# KiCad board sample018-programmable-led-panel.kicad_pcb
title: LED Panel; date: 31.01.2025; rev: 1.0.0
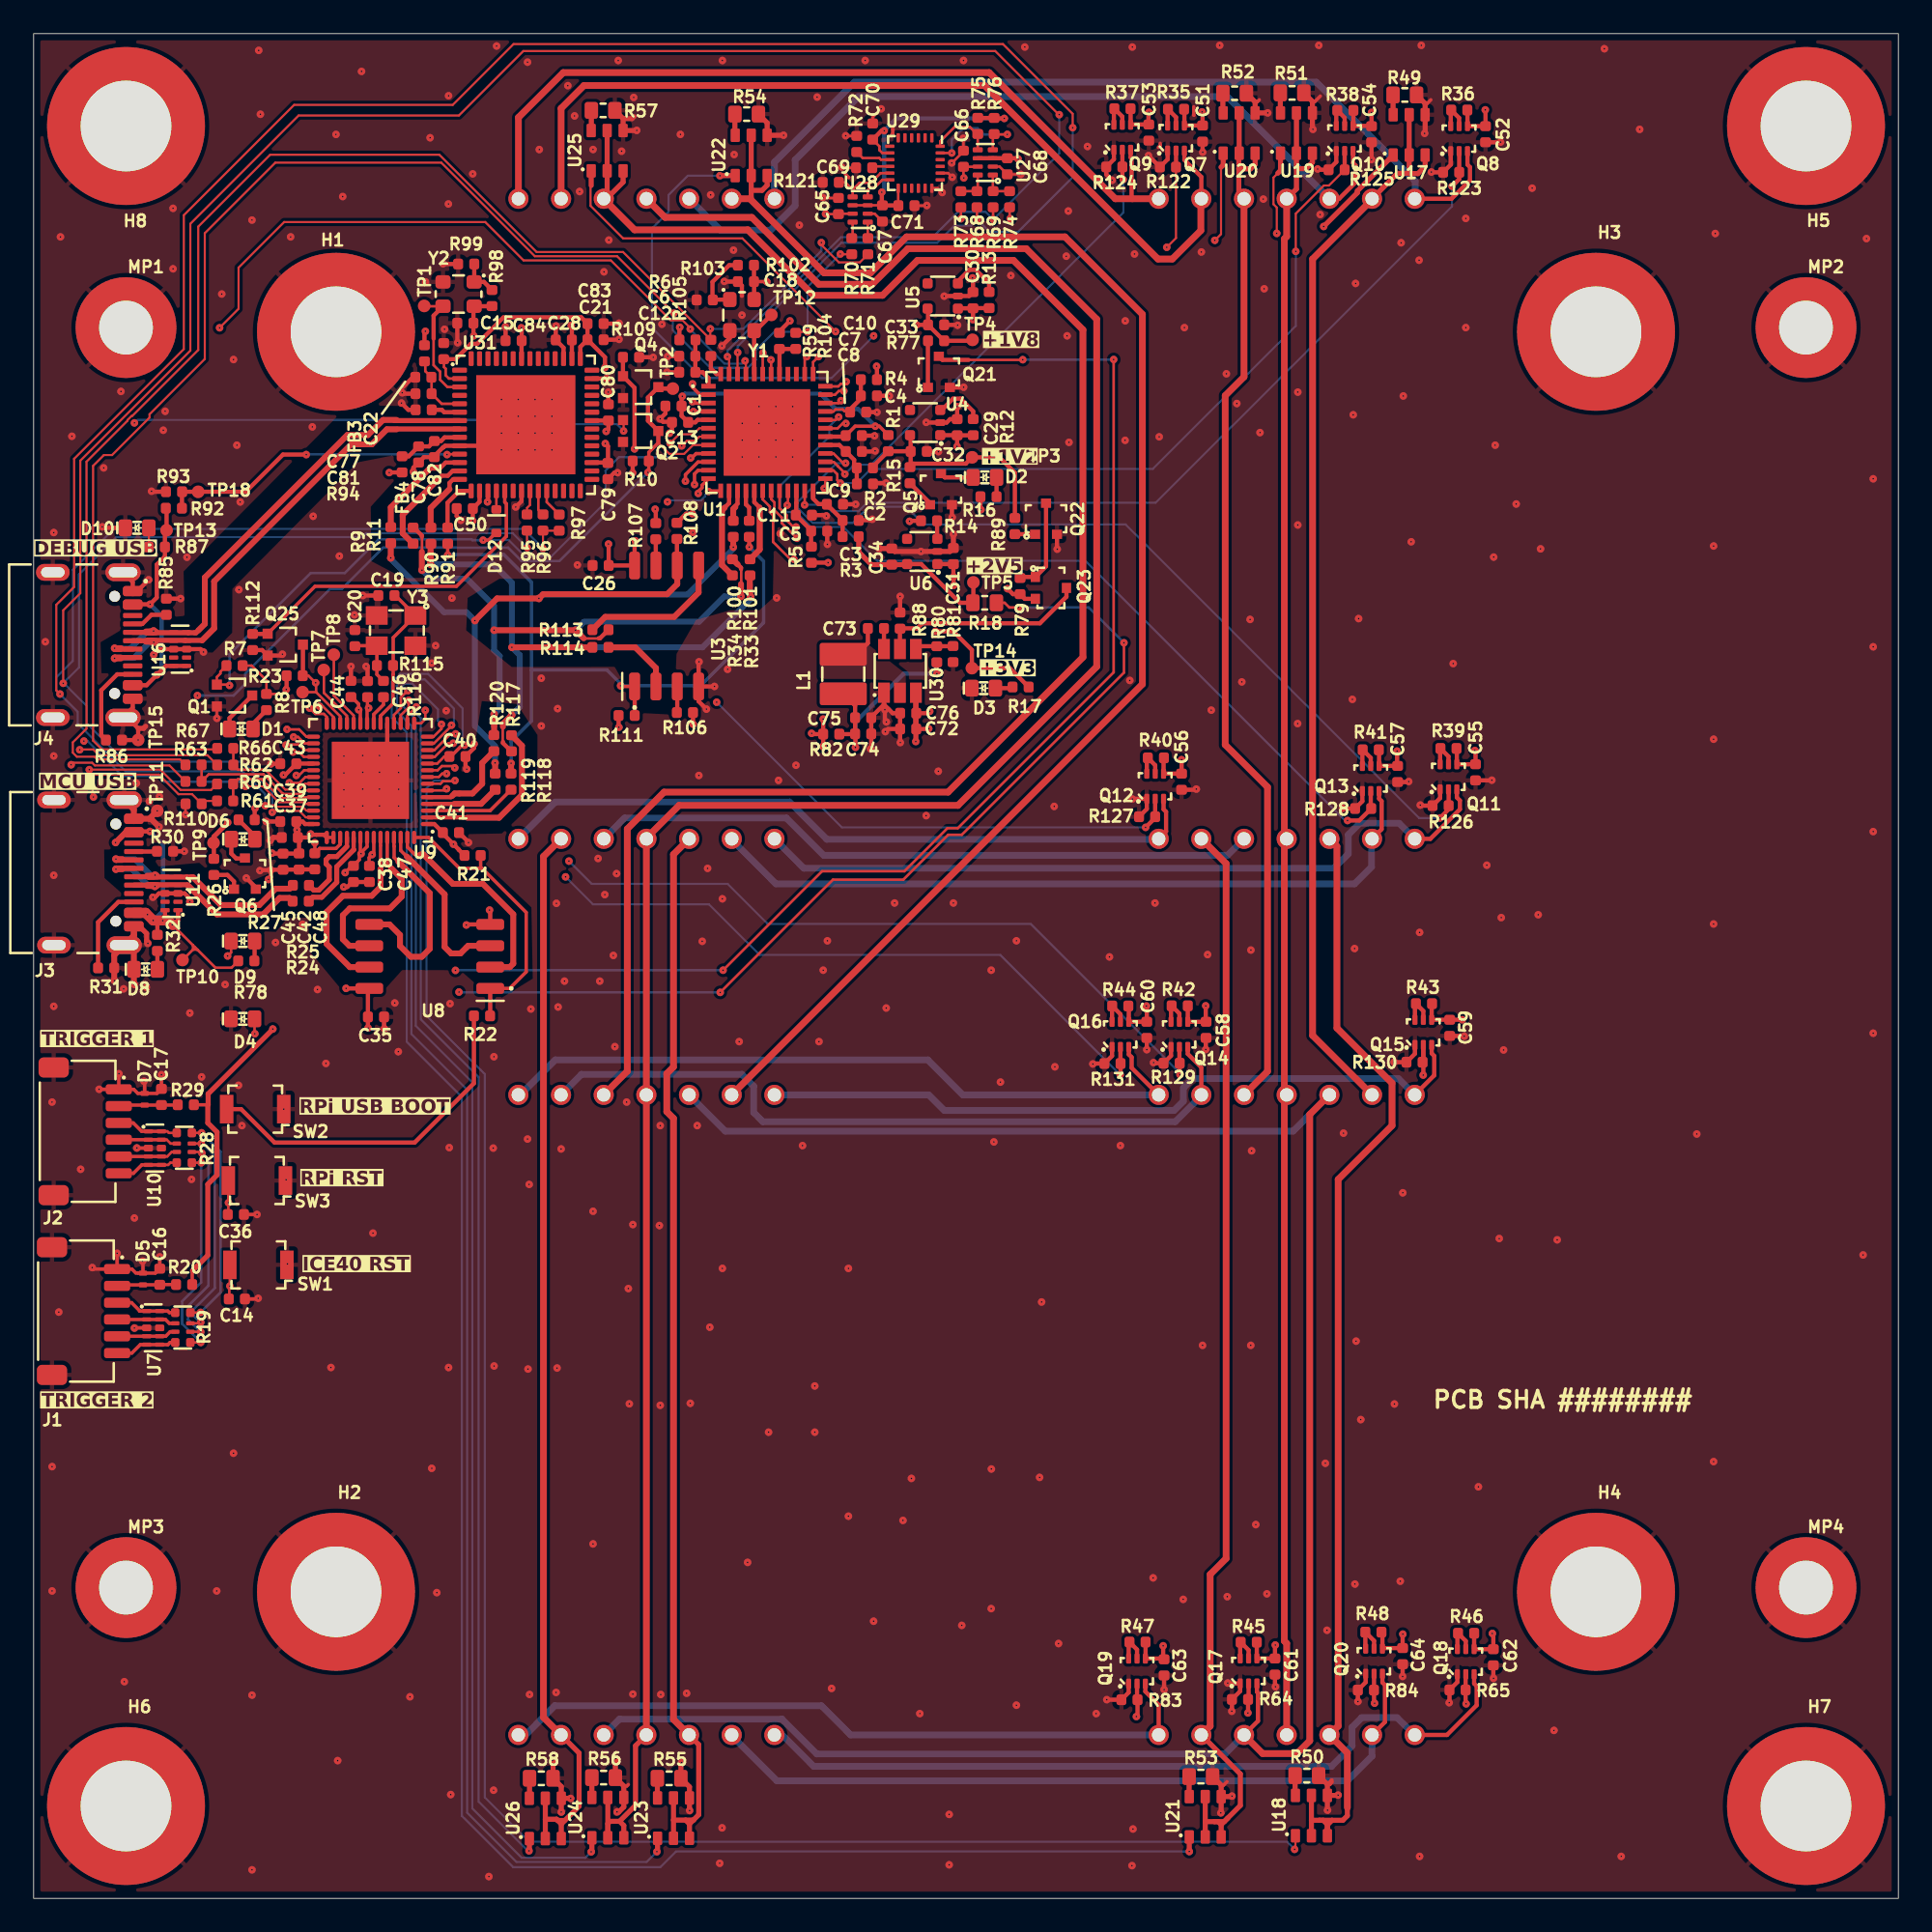
[diagram p0: board, top side]
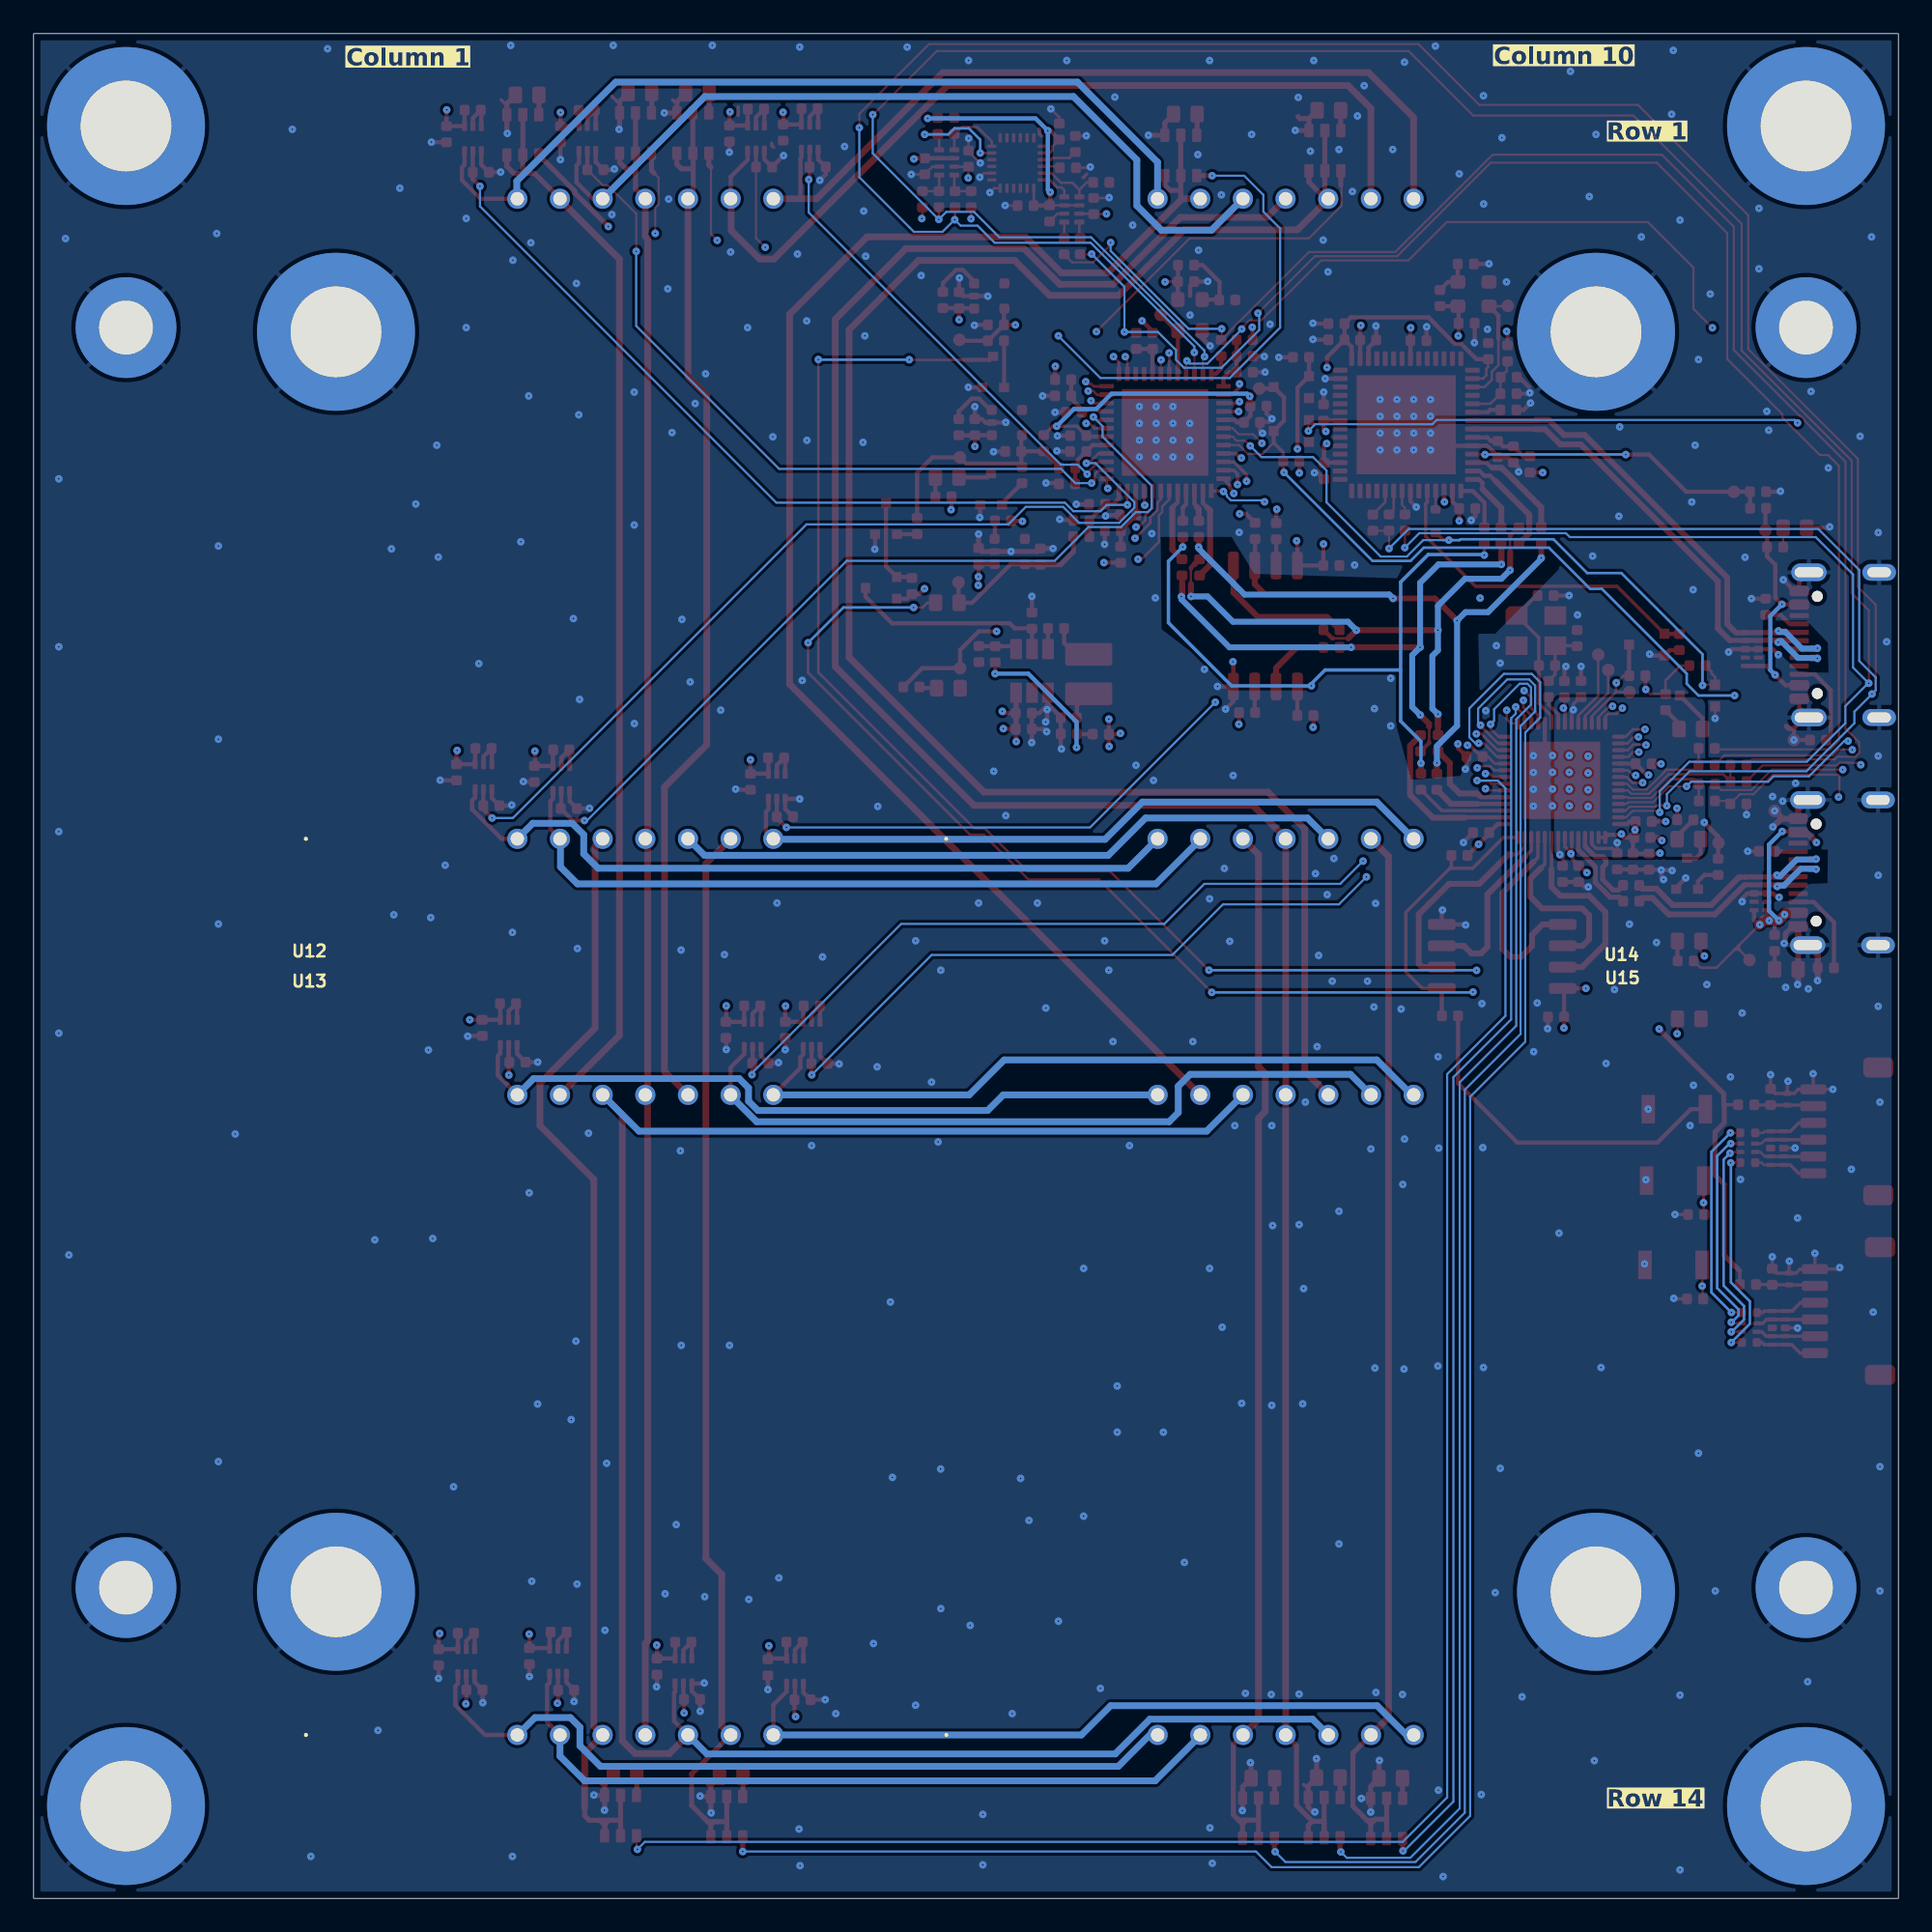
[diagram p1: board, bottom side, seen from below]

Outline 111 x 111 mm; copper layers: Top (plane), In1.Cu, In2.Cu (plane), In3.Cu, In4.Cu, Bottom. Coordinates in mm from the lower left corner of the outline.
Outline path: rectangle 0,111 111,0
Stack: Top 0.035mm / dielectric 0.12mm PR2116 er 4.4 / dielectric 0.12mm PR2116 er 4.4 / In1.Cu 0.035mm / dielectric 0.36mm FR4 er 4.5 / In2.Cu 0.035mm / dielectric 0.12mm PR2116 er 4.4 / dielectric 0.12mm PR2116 er 4.4 / In3.Cu 0.035mm / dielectric 0.36mm FR4 er 4.5 / In4.Cu 0.035mm / dielectric 0.12mm PR2116 er 4.4 / dielectric 0mm PR2116 er 4.4 / Bottom 0.035mm

## Placement (name value [footprint] x y rotation side)
C1  C_10u_0402  [C_0402_1005Metric]  38.09 88.83 0 top
C2  C_10u_0402  [C_0402_1005Metric]  49.49 84.19 180 top
C3  C_10u_0402  [C_0402_1005Metric]  48.63 82.02 180 top
C4  C_10u_0402  [C_0402_1005Metric]  49.72 89.44 180 top
C5  C_10u_0402  [C_0402_1005Metric]  46.76 81.39 180 top
C6  C_10u_0402  [C_0402_1005Metric]  38.91 91.8 0 top
C7  C_100n_0402  [C_0402_1005Metric]  48.82 87.07 180 top
C8  C_100n_0402  [C_0402_1005Metric]  48.82 86.12 180 top
C9  C_100n_0402  [C_0402_1005Metric]  47.7 82.99 180 top
C10  C_100n_0402  [C_0402_1005Metric]  49.08 88.47 180 top
C11  C_100n_0402  [C_0402_1005Metric]  45.85 82.34 180 top
C12  C_100n_0402  [C_0402_1005Metric]  38.91 90.84 0 top
C13  C_100n_0402  [C_0402_1005Metric]  38.48 87.86 0 top
C14  C_100n_0402  [C_0402_1005Metric]  12.1 35.68 180 top
C15  C_100n_0402  [C_0402_1005Metric]  25.7 93.76 0 top
C16  C_100n_0402  [C_0402_1005Metric]  7.51 37 270 top
C17  C_100n_0402  [C_0402_1005Metric]  7.61 47.71 270 top
C18  C_100n_0402  [C_0402_1005Metric]  42.4 96.24 0 top
C19  C_18p_0402  [C_0402_1005Metric]  21 77.55 0 top
C20  C_18p_0402  [C_0402_1005Metric]  19.12 75.01 270 top
C21  C_100n_0402  [C_0402_1005Metric]  33.45 92.78 0 top
C22  C_100n_0402  [C_0402_1005Metric]  24.41 92.1 90 top
C26  C_100n_0402  [C_0402_1005Metric]  33.75 79.34 0 top
C28  C_100n_0402  [C_0402_1005Metric]  31.56 92.76 180 top
C29  C_1u_16V_0402  [C_0402_1005Metric]  54.97 87.57 270 top
C30  C_1u_16V_0402  [C_0402_1005Metric]  55.92 95.13 270 top
C31  C_1u_16V_0402  [C_0402_1005Metric]  54.75 79.9 270 top
C32  C_1u_16V_0402  [C_0402_1005Metric]  52.69 86.13 180 top
C33  C_1u_16V_0402  [C_0402_1005Metric]  53.72 93.66 180 top
C34  C_1u_16V_0402  [C_0402_1005Metric]  51.08 79.87 270 top
C35  C_100n_0402  [C_0402_1005Metric]  20.38 52.47 180 top
C36  C_100n_0402  [C_0402_1005Metric]  12.04 40.71 0 top
C37  C_1u_16V_0402  [C_0402_1005Metric]  15.25 63.15 0 top
C38  C_100n_0402  [C_0402_1005Metric]  19.04 60.98 90 top
C39  C_100n_0402  [C_0402_1005Metric]  15.16 64.1 0 top
C40  C_100n_0402  [C_0402_1005Metric]  25.23 67.97 180 top
C41  C_100n_0402  [C_0402_1005Metric]  24.84 63.44 180 top
C42  C_100n_0402  [C_0402_1005Metric]  15.8 61.72 90 top
C43  C_100n_0402  [C_0402_1005Metric]  15.16 67.54 0 top
C44  C_100n_0402  [C_0402_1005Metric]  18.89 71.99 270 top
C45  C_100n_0402  [C_0402_1005Metric]  14.85 61.71 90 top
C46  C_100n_0402  [C_0402_1005Metric]  19.88 71.98 270 top
C47  C_100n_0402  [C_0402_1005Metric]  19.99 60.98 90 top
C48  C_1u_16V_0402  [C_0402_1005Metric]  16.74 61.73 90 top
C50  C_100n_0402  [C_0402_1005Metric]  25.66 82.73 180 top
C51  C_1u_16V_0402  [C_0402_1005Metric]  69.58 105.05 90 top
C52  C_1u_16V_0402  [C_0402_1005Metric]  86.42 105.01 90 top
C53  C_1u_16V_0402  [C_0402_1005Metric]  66.38 105.11 90 top
C54  C_1u_16V_0402  [C_0402_1005Metric]  79.64 105.01 90 top
C55  C_1u_16V_0402  [C_0402_1005Metric]  85.83 67.03 90 top
C56  C_1u_16V_0402  [C_0402_1005Metric]  68.33 66.47 90 top
C57  C_1u_16V_0402  [C_0402_1005Metric]  81.19 66.93 90 top
C58  C_1u_16V_0402  [C_0402_1005Metric]  69.79 51.7 90 top
C59  C_1u_16V_0402  [C_0402_1005Metric]  84.29 51.82 90 top
C60  C_1u_16V_0402  [C_0402_1005Metric]  66.26 51.7 90 top
C61  C_1u_16V_0402  [C_0402_1005Metric]  73.89 13.8 90 top
C62  C_1u_16V_0402  [C_0402_1005Metric]  86.89 14.35 90 top
C63  C_1u_16V_0402  [C_0402_1005Metric]  67.29 13.75 90 top
C64  C_1u_16V_0402  [C_0402_1005Metric]  81.49 14.42 90 top
C65  C_100n_0402  [C_0402_1005Metric]  47.91 100.74 270 top
C66  C_100n_0402  [C_0402_1005Metric]  55.35 103.55 270 top
C67  C_100n_0402  [C_0402_1005Metric]  50.53 100.29 90 top
C68  C_100n_0402  [C_0402_1005Metric]  57.96 103.1 90 top
C69  C_100n_0402  [C_0402_1005Metric]  49.44 103.01 0 top
C70  C_100n_0402  [C_0402_1005Metric]  49.94 105.17 270 top
C71  C_100n_0402  [C_0402_1005Metric]  51.96 100.76 180 top
C72  C_10u_0402  [C_0402_1005Metric]  52.06 69.61 0 top
C73  C_220n_0402  [C_0402_1005Metric]  50.14 75.59 180 top
C74  C_22u_0402  [C_0402_1005Metric]  49.38 69.32 180 top
C75  C_22u_0402  [C_0402_1005Metric]  49.38 70.28 180 top
C76  C_10u_0402  [C_0402_1005Metric]  52.06 70.55 0 top
C77  C_10u_0402  [C_0402_1005Metric]  23.2 90.54 180 top
C78  C_10u_0402  [C_0402_1005Metric]  22.91 85.95 90 top
C79  C_100n_0402  [C_0402_1005Metric]  34.19 84.96 270 top
C80  C_100n_0402  [C_0402_1005Metric]  34.22 88.45 90 top
C81  C_100n_0402  [C_0402_1005Metric]  23.21 89.56 180 top
C82  C_100n_0402  [C_0402_1005Metric]  23.85 86.27 90 top
C83  C_10u_0402  [C_0402_1005Metric]  33.45 93.74 0 top
C84  C_100n_0402  [C_0402_1005Metric]  28.57 92.72 180 top
D1  LED_G_0603_KP-1608CGCK  [LED_0603_1608Metric_G]  12.36 69.61 0 top
D2  LED_G_0603_KP-1608CGCK  [LED_0603_1608Metric_G]  56.62 84.58 0 top
D3  LED_G_0603_KP-1608CGCK  [LED_0603_1608Metric_G]  56.55 72.04 0 top
D4  LED_G_0603_KP-1608CGCK  [LED_0603_1608Metric_G]  12.45 52.35 0 top
D5  TPD1E0B04_XDFN-2  [XDFN-2_1x0.60mm]  6.51 36.87 90 top  (not fitted)
D6  LED_G_0603_KP-1608CGCK  [LED_0603_1608Metric_G]  12.47 63.05 0 top
D7  TPD1E0B04_XDFN-2  [XDFN-2_1x0.60mm]  6.61 47.57 90 top  (not fitted)
D8  LED_G_0603_KP-1608CGCK  [LED_0603_1608Metric_G]  6.67 55.3 0 top
D9  LED_G_0603_KP-1608CGCK  [LED_0603_1608Metric_G]  12.45 56.99 0 top
D10  LED_G_0603_KP-1608CGCK  [LED_0603_1608Metric_G]  6.16 81.58 0 top
D12  RB521S30T1G  [SOD-523]  27.55 81.97 270 top
FB3  FB_600Z_0.3A_Murata-BLM15AG_0402  [FB_0402_1005Metric]  23.26 91.97 270 top
FB4  FB_600Z_0.3A_Murata-BLM15AG_0402  [FB_0402_1005Metric]  21.94 85.36 90 top
H1  -  [Spacer_Drill5.4mm_H10mm_9774100482R]  18 93.25 0 top  (not fitted)
H2  -  [Spacer_Drill5.4mm_H10mm_9774100482R]  18 18.25 0 top  (not fitted)
H3  -  [Spacer_Drill5.4mm_H10mm_9774100482R]  93 93.25 0 top  (not fitted)
H4  -  [Spacer_Drill5.4mm_H10mm_9774100482R]  93 18.25 0 top  (not fitted)
H5  -  [Spacer_Drill5.4mm_H10mm_9774100482R]  105.5 105.5 0 top
H6  -  [Spacer_Drill5.4mm_H10mm_9774100482R]  5.5 5.5 0 top
H7  -  [Spacer_Drill5.4mm_H10mm_9774100482R]  105.5 5.5 0 top
H8  -  [Spacer_Drill5.4mm_H10mm_9774100482R]  5.5 105.5 0 top
J1  JST_SH_1x6_SM06B-SRSS-TB-LF-SN  [Conn_JST_SH_1x6_SM06B-SRSS-TB-LF-SN]  2.87 34.96 270 top
J2  JST_SH_1x6_SM06B-SRSS-TB-LF-SN  [Conn_JST_SH_1x6_SM06B-SRSS-TB-LF-SN]  2.97 45.66 270 top
J3  USB-C_GCT_USB4105-GF-A  [USB-C_Receptacle_GCT_USB4105-GF-A]  2.47 61.06 270 top
J4  USB-C_GCT_USB4105-GF-A  [USB-C_Receptacle_GCT_USB4105-GF-A]  2.4 74.61 270 top
L1  L_3u3_3.1A_Bourns-SRP3212A  [L_Bourns-SRP3212A]  48.19 72.88 270 top
MP1  -  [MP_Pad6mm_Drill3.2mm]  5.5 93.5 0 top
MP2  -  [MP_Pad6mm_Drill3.2mm]  105.5 93.5 0 top
MP3  -  [MP_Pad6mm_Drill3.2mm]  5.5 18.5 0 top
MP4  -  [MP_Pad6mm_Drill3.2mm]  105.5 18.5 0 top
Q1  BSS138PW  [SC70-3]  11.96 71.6 0 top
Q2  BSS138PW  [SC70-3]  36.13 87.34 0 top
Q4  BSS138PW  [SC70-3]  36.13 89.96 0 top
Q5  BC817-25W  [SOT-323]  54.01 83.88 90 top
Q6  BC817-25W  [SOT-323]  12.58 61 90 top
Q7  DMC2400UV-7  [SOT-563]  68 104.78 90 top
Q8  DMC2400UV-7  [SOT-563]  84.85 104.75 90 top
Q9  DMC2400UV-7  [SOT-563]  64.8 104.83 90 top
Q10  DMC2400UV-7  [SOT-563]  78.04 104.76 90 top
Q11  DMC2400UV-7  [SOT-563]  84.22 66.76 90 top
Q12  DMC2400UV-7  [SOT-563]  66.76 66.2 90 top
Q13  DMC2400UV-7  [SOT-563]  79.59 66.66 90 top
Q14  DMC2400UV-7  [SOT-563]  68.2 51.43 90 top
Q15  DMC2400UV-7  [SOT-563]  82.72 51.55 90 top
Q16  DMC2400UV-7  [SOT-563]  64.69 51.43 90 top
Q17  DMC2400UV-7  [SOT-563]  72.32 13.54 90 top
Q18  DMC2400UV-7  [SOT-563]  85.25 14.09 90 top
Q19  DMC2400UV-7  [SOT-563]  65.68 13.53 90 top
Q20  DMC2400UV-7  [SOT-563]  79.79 14.12 90 top
Q21  BC817-25W  [SOT-323]  53.88 90.87 90 top
Q22  BC817-25W  [SOT-323]  60.26 82.12 90 top
Q23  BSS84AKW  [SOT-323]  60.56 78 0 top
Q25  BSS138PW  [SC70-3]  14.98 74.63 0 top
R1  R_0R_0402  [R_0402_1005Metric]  50.87 86.62 90 top
R2  R_100R_0402  [R_0402_1005Metric]  49.48 85.15 180 top
R3  R_0R_0402  [R_0402_1005Metric]  48.63 81.06 180 top
R4  R_0R_0402  [R_0402_1005Metric]  49.72 90.4 180 top
R5  R_0R_0402  [R_0402_1005Metric]  46.3 79.98 90 top
R6  R_0R_0402  [R_0402_1005Metric]  38.92 92.77 0 top
R7  R_10k_0402  [R_0402_1005Metric]  11.96 73.38 0 top
R8  R_330R_0402  [R_0402_1005Metric]  13.86 71.21 90 top
R9  R_27R_0402  [R_0402_1005Metric]  21.26 81.15 270 top
R10  R_10k_0402  [R_0402_1005Metric]  36.14 85.56 180 top
R11  R_27R_0402  [R_0402_1005Metric]  22.59 81.12 90 top
R12  R_10k_0402  [R_0402_1005Metric]  55.93 87.57 270 top
R13  R_10k_0402  [R_0402_1005Metric]  56.88 95.14 270 top
R14  R_10k_0402  [R_0402_1005Metric]  53.3 82 180 top
R15  R_1k_0402  [R_0402_1005Metric]  52.17 84.72 90 top
R16  R_1k_0402  [R_0402_1005Metric]  56.84 83.44 0 top
R17  R_330R_0402  [R_0402_1005Metric]  58.75 72.11 0 top
R18  R_120R_0603  [R_0603_1608Metric]  56.61 77.12 180 top
R19  R_4x100R_0402_array  [R_Array_4x0402_Panasonic_EXB28V]  8.88 33.98 270 top
R20  R_0R_0402  [R_0402_1005Metric]  8.96 36.54 0 top  (not fitted)
R21  R_10k_0402  [R_0402_1005Metric]  26.13 62.08 0 top  (not fitted)
R22  R_1k_0402  [R_0402_1005Metric]  26.69 52.53 0 top
R23  R_10k_0402  [R_0402_1005Metric]  15.54 72.78 0 top
R24  R_27R_0402  [R_0402_1005Metric]  15.9 59.36 0 top
R25  R_27R_0402  [R_0402_1005Metric]  15.91 60.3 0 top
R26  R_1k_0402  [R_0402_1005Metric]  10.73 61.4 90 top
R27  R_330R_0402  [R_0402_1005Metric]  12.68 64.2 0 top
R28  R_4x100R_0402_array  [R_Array_4x0402_Panasonic_EXB28V]  8.97 44.68 270 top
R29  R_0R_0402  [R_0402_1005Metric]  9.06 47.24 0 top  (not fitted)
R30  R_5k1_0402  [R_0402_1005Metric]  7.82 62.33 0 top
R31  R_5k1_0402  [R_0402_1005Metric]  4.32 55.39 0 top
R32  R_1k_0402  [R_0402_1005Metric]  7.37 56.88 270 top
R33  R_27R_0402  [R_0402_1005Metric]  41.59 79.23 270 top
R34  R_27R_0402  [R_0402_1005Metric]  42.65 79.23 90 top
R35  R_1k_0402  [R_0402_1005Metric]  68 106.5 180 top
R36  R_1k_0402  [R_0402_1005Metric]  84.86 106.45 180 top
R37  R_1k_0402  [R_0402_1005Metric]  64.81 106.53 180 top
R38  R_1k_0402  [R_0402_1005Metric]  78.08 106.43 180 top
R39  R_1k_0402  [R_0402_1005Metric]  84.22 68.45 180 top
R40  R_1k_0402  [R_0402_1005Metric]  66.8 67.89 180 top
R41  R_1k_0402  [R_0402_1005Metric]  79.59 68.37 180 top
R42  R_1k_0402  [R_0402_1005Metric]  68.22 53.13 180 top
R43  R_1k_0402  [R_0402_1005Metric]  82.76 53.26 180 top
R44  R_1k_0402  [R_0402_1005Metric]  64.68 53.12 180 top
R45  R_1k_0402  [R_0402_1005Metric]  72.33 15.25 180 top
R46  R_1k_0402  [R_0402_1005Metric]  85.27 15.78 180 top
R47  R_1k_0402  [R_0402_1005Metric]  65.71 15.26 180 top
R48  R_1k_0402  [R_0402_1005Metric]  79.75 15.85 180 top
R49  R_120R_0603  [R_0603_1608Metric]  81.62 107.35 180 top
R50  R_120R_0603  [R_0603_1608Metric]  75.79 7.31 180 top
R51  R_120R_0603  [R_0603_1608Metric]  74.91 107.47 180 top
R52  R_120R_0603  [R_0603_1608Metric]  71.49 107.45 180 top
R53  R_120R_0603  [R_0603_1608Metric]  69.48 7.25 180 top
R54  R_120R_0603  [R_0603_1608Metric]  42.44 106.21 180 top
R55  R_120R_0603  [R_0603_1608Metric]  37.83 7.15 180 top
R56  R_120R_0603  [R_0603_1608Metric]  33.93 7.19 180 top
R57  R_120R_0603  [R_0603_1608Metric]  33.9 106.43 180 top
R58  R_120R_0603  [R_0603_1608Metric]  30.22 7.15 180 top
R59  R_10k_0402  [R_0402_1005Metric]  44.4 92.71 90 top
R60  R_0R_0402  [R_0402_1005Metric]  11.4 66.34 180 top  (not fitted)
R61  R_0R_0402  [R_0402_1005Metric]  11.4 65.32 0 top
R62  R_0R_0402  [R_0402_1005Metric]  11.41 67.47 180 top
R63  R_0R_0402  [R_0402_1005Metric]  9.52 66.49 180 top
R64  R_10k_0402  [R_0402_1005Metric]  71.81 11.84 0 top
R65  R_10k_0402  [R_0402_1005Metric]  84.76 12.41 0 top
R66  R_0R_0402  [R_0402_1005Metric]  11.41 68.46 0 top  (not fitted)
R67  R_0R_0402  [R_0402_1005Metric]  9.52 67.47 0 top  (not fitted)
R68  R_0R_0402  [R_0402_1005Metric]  56.15 101.14 90 top
R69  R_0R_0402  [R_0402_1005Metric]  57.11 101.14 90 top
R70  R_0R_0402  [R_0402_1005Metric]  48.7 98.34 90 top  (not fitted)
R71  R_0R_0402  [R_0402_1005Metric]  49.66 98.34 90 top  (not fitted)
R72  R_10k_0402  [R_0402_1005Metric]  49 104.43 90 top
R73  R_10k_0402  [R_0402_1005Metric]  55.19 101.14 90 top  (not fitted)
R74  R_10k_0402  [R_0402_1005Metric]  58.09 101.14 90 top  (not fitted)
R75  R_10k_0402  [R_0402_1005Metric]  56.2 105.5 270 top  (not fitted)
R76  R_10k_0402  [R_0402_1005Metric]  57.18 105.5 270 top  (not fitted)
R77  R_1k_0402  [R_0402_1005Metric]  53.72 92.72 0 top
R78  R_1k_0402  [R_0402_1005Metric]  12.66 55.81 0 top
R79  R_10k_0402  [R_0402_1005Metric]  58.72 78.12 90 top
R80  R_31k6_0402  [R_0402_1005Metric]  53.76 74.05 270 top
R81  R_10k_0402  [R_0402_1005Metric]  54.73 74.07 90 top
R82  R_0R_0402  [R_0402_1005Metric]  47.48 69.3 180 top
R83  R_10k_0402  [R_0402_1005Metric]  65.23 11.82 0 top
R84  R_10k_0402  [R_0402_1005Metric]  79.31 12.4 0 top
R85  R_5k1_0402  [R_0402_1005Metric]  7.9 76.88 90 top
R86  R_5k1_0402  [R_0402_1005Metric]  4.78 68.95 0 top
R87  R_1k_0402  [R_0402_1005Metric]  7.34 80.44 180 top
R88  R_10k_0402  [R_0402_1005Metric]  51.57 76.06 90 top
R89  R_1k_0402  [R_0402_1005Metric]  58.41 81.69 90 top
R90  R_27R_0402  [R_0402_1005Metric]  23.65 81.12 270 top
R91  R_27R_0402  [R_0402_1005Metric]  24.65 81.12 270 top
R92  R_4k7_0402  [R_0402_1005Metric]  8.35 82.75 180 top
R93  R_10k_0402  [R_0402_1005Metric]  8.36 83.73 0 top
R94  R_12k_0402  [R_0402_1005Metric]  23.22 88.6 180 top
R95  R_27R_0402  [R_0402_1005Metric]  29.37 81.9 270 top
R96  R_27R_0402  [R_0402_1005Metric]  30.32 81.9 270 top
R97  R_27R_0402  [R_0402_1005Metric]  31.28 81.89 270 top
R98  R_0R_0402  [R_0402_1005Metric]  27.28 95.26 270 top
R99  R_10k_0402  [R_0402_1005Metric]  25.75 97.28 0 top
R100  R_27R_0402  [R_0402_1005Metric]  41.65 81.52 90 top
R101  R_27R_0402  [R_0402_1005Metric]  42.59 81.52 90 top
R102  R_0R_0402  [R_0402_1005Metric]  42.4 97.22 0 top
R103  R_10k_0402  [R_0402_1005Metric]  39.95 95.15 0 top
R104  R_0R_0402  [R_0402_1005Metric]  45.37 92.71 270 top  (not fitted)
R105  R_0R_0402  [R_0402_1005Metric]  40.31 92.29 270 top  (not fitted)
R106  R_10k_0402  [R_0402_1005Metric]  38.77 70.59 0 top
R107  R_10k_0402  [R_0402_1005Metric]  37.03 81.38 90 top
R108  R_10k_0402  [R_0402_1005Metric]  38.29 81.4 90 top
R109  R_10k_0402  [R_0402_1005Metric]  35.56 91.74 180 top
R110  R_10k_0402  [R_0402_1005Metric]  9.53 65.15 0 top
R111  R_10k_0402  [R_0402_1005Metric]  35.3 70.41 180 top
R112  R_10k_0402  [R_0402_1005Metric]  13.04 74.78 90 top
R113  R_0R_0402  [R_0402_1005Metric]  33.74 75.51 180 top
R114  R_0R_0402  [R_0402_1005Metric]  33.74 74.47 0 top
R115  R_1M_0402  [R_0402_1005Metric]  20.91 73.38 180 top
R116  R_1k_0402  [R_0402_1005Metric]  20.82 71.99 270 top
R117  R_27R_0402  [R_0402_1005Metric]  28.45 68.75 270 top
R118  R_27R_0402  [R_0402_1005Metric]  28.42 66.47 90 top
R119  R_27R_0402  [R_0402_1005Metric]  27.47 66.47 90 top
R120  R_27R_0402  [R_0402_1005Metric]  27.4 68.76 90 top
R121  R_100k_0402  [R_0402_1005Metric]  47.45 102.15 0 top
R122  R_10k_0402  [R_0402_1005Metric]  67.52 103.06 0 top
R123  R_10k_0402  [R_0402_1005Metric]  84.38 102.75 0 top
R124  R_10k_0402  [R_0402_1005Metric]  64.33 103.06 0 top
R125  R_10k_0402  [R_0402_1005Metric]  77.56 102.9 0 top
R126  R_10k_0402  [R_0402_1005Metric]  83.75 65.04 0 top
R127  R_10k_0402  [R_0402_1005Metric]  66.28 64.38 0 top
R128  R_10k_0402  [R_0402_1005Metric]  79.14 64.88 0 top
R129  R_10k_0402  [R_0402_1005Metric]  67.74 49.72 0 top
R130  R_10k_0402  [R_0402_1005Metric]  82.2 49.78 0 top
R131  R_10k_0402  [R_0402_1005Metric]  64.22 49.69 0 top
SW1  -  [SW_B3U-1000P_SMD]  13.38 37.71 180 top
SW2  -  [SW_B3U-1000P_SMD]  13.19 46.98 180 top
SW3  -  [SW_B3U-1000P_SMD]  13.29 42.73 180 top
TP1  TP_0.75mm_SMD  [TP_SMD_0.75mm]  23.25 94.79 270 top
TP2  TP_0.75mm_SMD  [TP_SMD_0.75mm]  38.05 89.87 90 top
TP3  TP_0.75mm_SMD  [TP_SMD_0.75mm]  55.87 85.78 0 top
TP4  TP_0.75mm_SMD  [TP_SMD_0.75mm]  55.89 92.77 0 top
TP5  TP_0.75mm_SMD  [TP_SMD_0.75mm]  55.94 78.34 0 top
TP6  TP_0.75mm_SMD  [TP_SMD_0.75mm]  16.01 71.8 180 top
TP7  TP_0.75mm_SMD  [TP_SMD_0.75mm]  17.27 73.12 180 top
TP8  TP_0.75mm_SMD  [TP_SMD_0.75mm]  17.87 74.03 180 top
TP9  TP_0.75mm_SMD  [TP_SMD_0.75mm]  10.71 62.83 90 top
TP10  TP_0.75mm_SMD  [TP_SMD_0.75mm]  8.86 55.86 90 top
TP11  TP_0.75mm_SMD  [TP_SMD_0.75mm]  7.36 64.74 90 top
TP12  TP_0.75mm_SMD  [TP_SMD_0.75mm]  43.92 94.26 0 top
TP13  TP_0.75mm_SMD  [TP_SMD_0.75mm]  7.91 81.44 270 top
TP14  TP_0.75mm_SMD  [TP_SMD_0.75mm]  55.85 73.23 0 top
TP15  TP_0.75mm_SMD  [TP_SMD_0.75mm]  6.22 68.96 270 top
TP18  TP_0.75mm_SMD  [TP_SMD_0.75mm]  9.8 83.72 0 top
U1  ICE40UP5K-SG48  [QFN-48-1EP_7x7mm]  43.65 87.26 0 top
U3  W25Q32JW_SOIC-8  [SOIC-8_5.3x5.3x2mm_P1.27mm]  37.68 75.74 90 top